# Altium PCB PCB2-v2.PcbDoc (part 4 of 8)
Units mil, origin at the board's own origin, x right, y up, seen from the top; angles counter-clockwise.
Board outline 4330.71 x 4330.71 mil, 2 copper layers (Top Layer, Bottom Layer); 153 components, 127 nets, 575 pads, 933 vias.
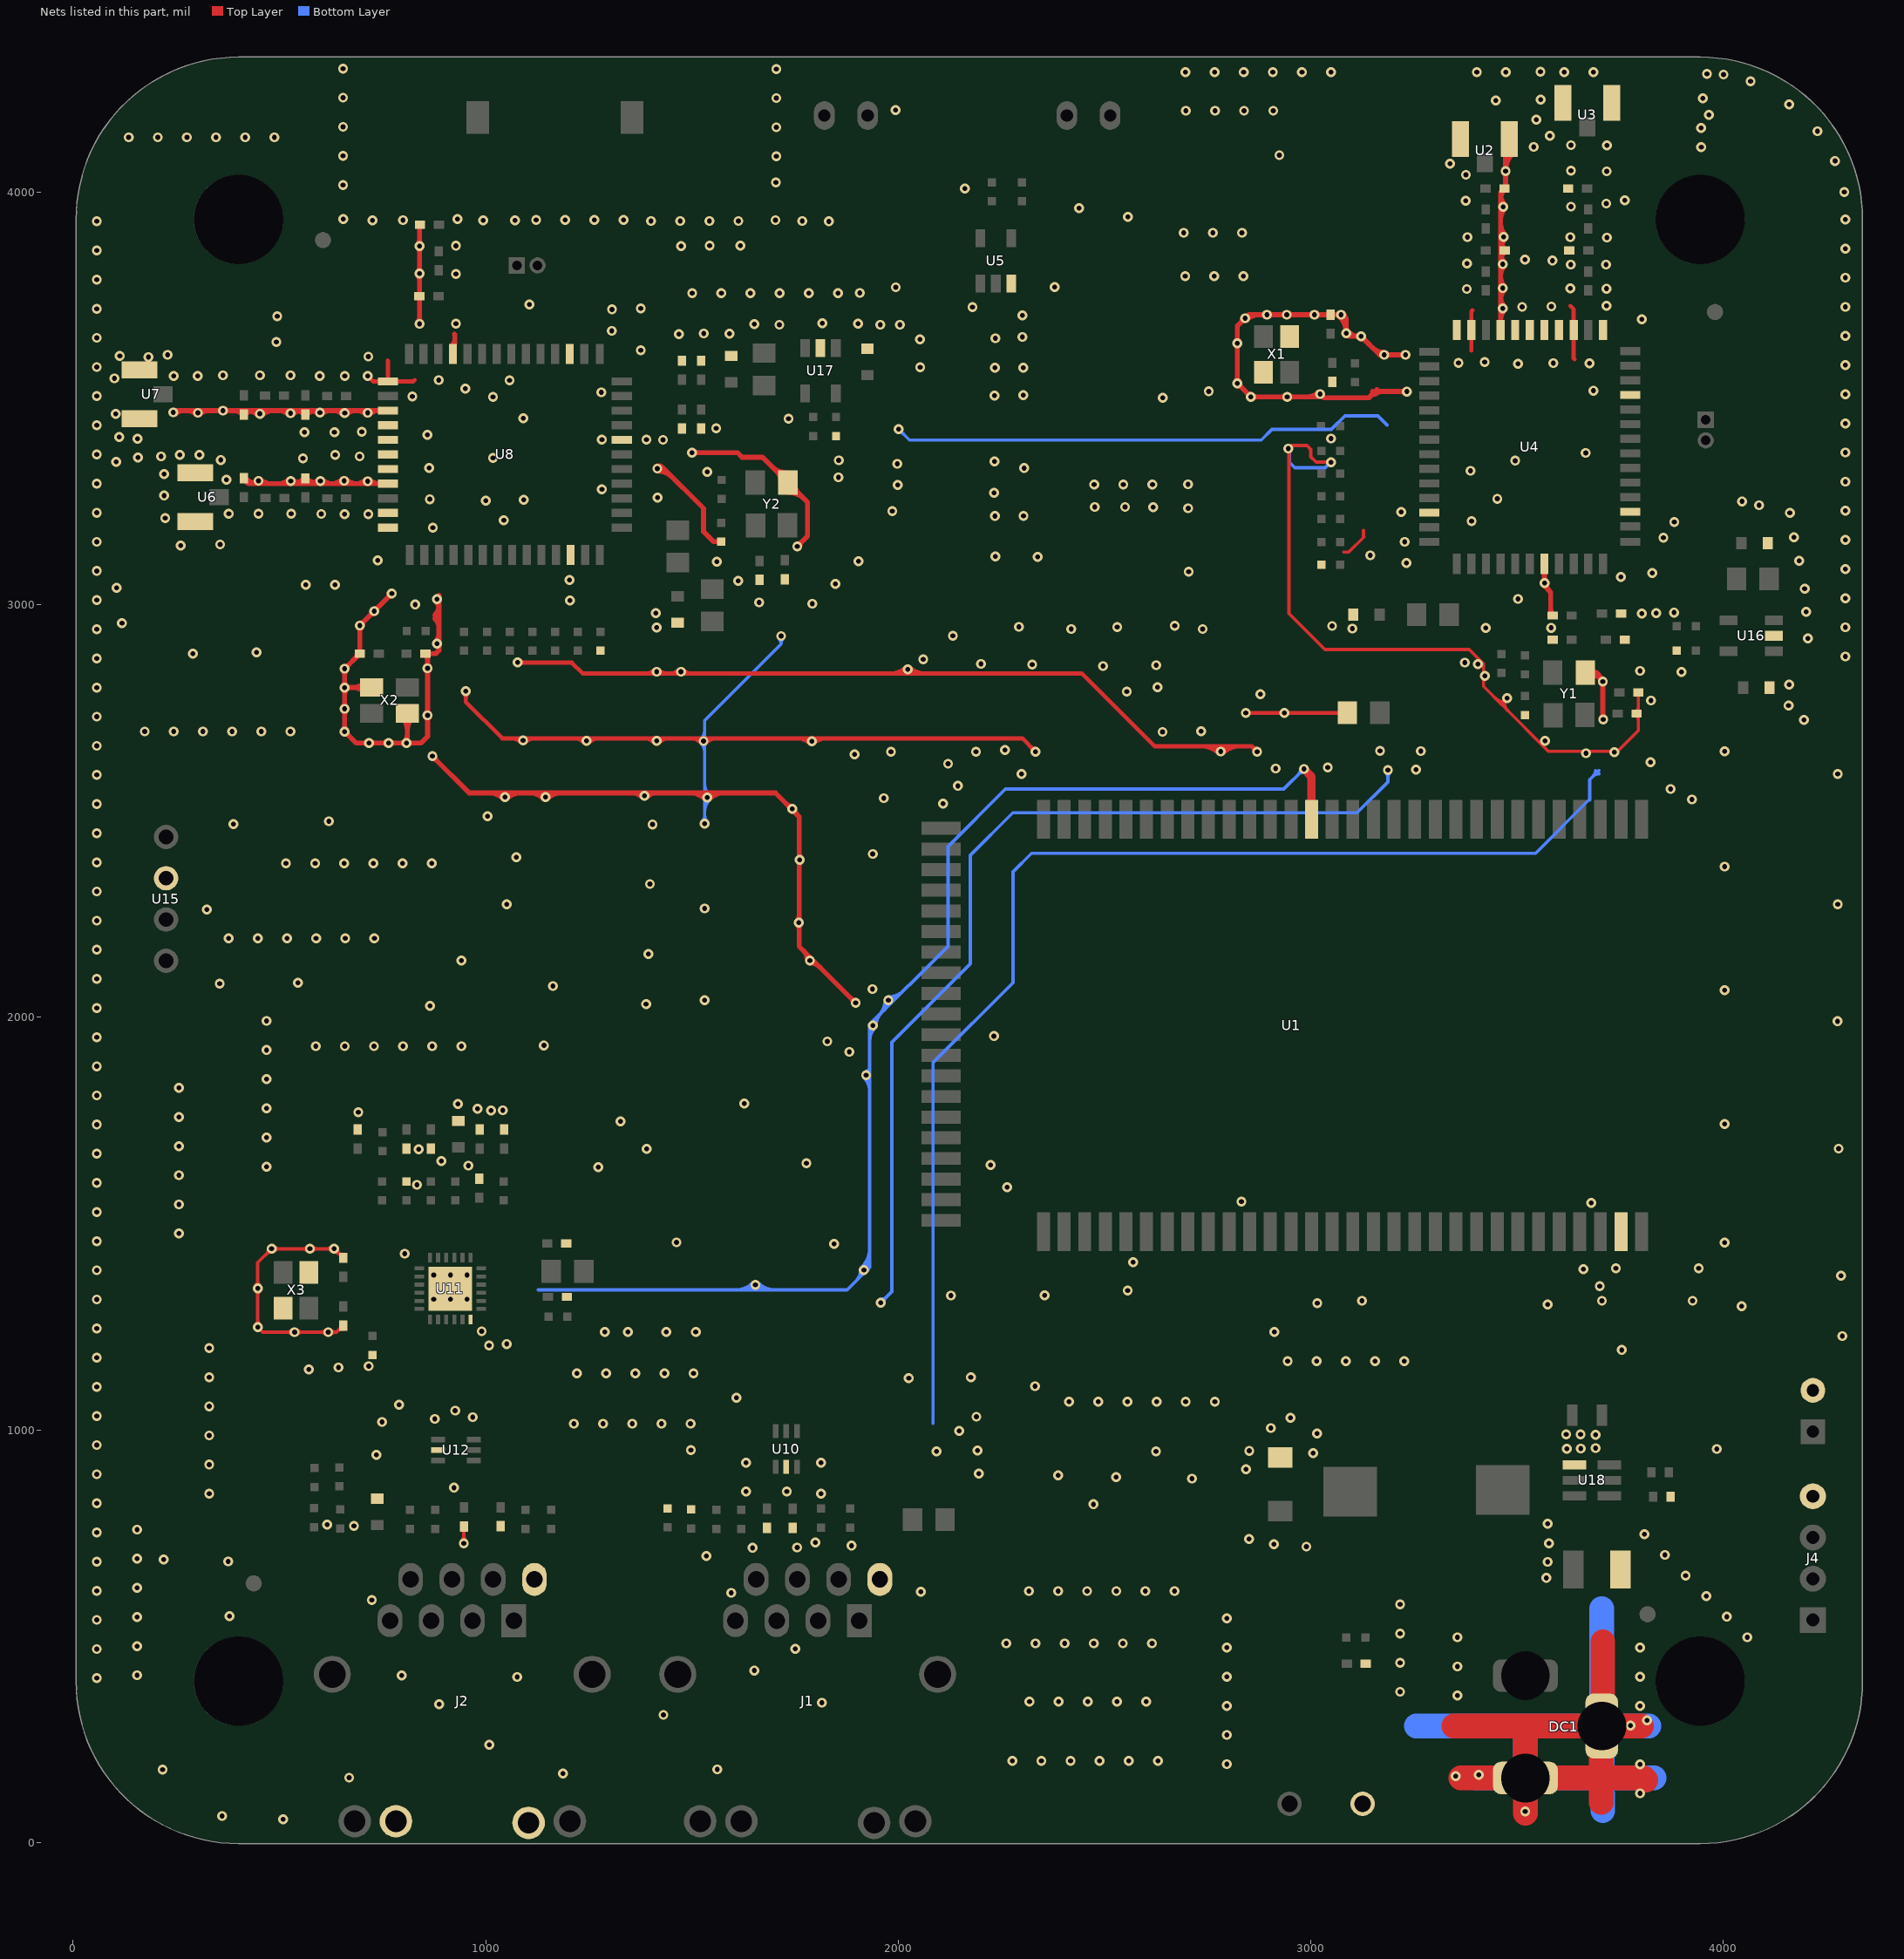
[diagram p4: the nets of this part, all layers, seen from the top]

## Via types
v1: diameter 24, hole 12, Top Layer to Bottom Layer, tented both sides, 931 vias
v2: diameter 78.74, hole 51.18, Top Layer to Bottom Layer, 2 vias

## Nets (pads, with @x,y where several pads share a name; then routed paths per layer and width w, separated by ;. In a path a pad name is that pad's centre, name@x,y a point inside that pad or via, vN(x,y) a via of type N, cw(c..) or ccw(c..) an arc to the next point about the centre after c; other vN are vias at no path point) (continued)
GND: C1.1 C2.2 C5.1 C6.2 C9.2 C10.2 C11.2 C12.2 C13.2 C14.2 C15.2 C16.1 C17.2 C18.2 C19.1 C20.2 C23.1 C24.2 C27.1 C29.2 C30.2 C31.2 C32.2 C33.2 C34.1 C35.2 C36.2 C37.1 C38.1 C39.2 C40.1 C41.1 C42.2 C43.1 C44.2 C45.2 C46.2 C47.2 C48.1 C49.2 C50.2 C51.2 C52.2 C54.2 C55.2 C56.2 C57.2 C58.2 C59.2 C60.2 C61.2 DC1.2 DC1.3 J1.8 J2.8 J2.10 J2.11 J4.4 J5.2 R8.1 R16.1 R21.1 R22.1 R32.1 R40.1 R41.1 R46.2 R48.1 R50.1 R51.1 R52.1 S1.2 U1.29 U1.47 U2.0 U3.0 U4.1 U4.3 U4.4 U4.5 U4.6 U4.7 U4.8 U4.10 U4.11 U4.23 U4.32 U4.39 U4.47 U5.3 U6.0 U7.0 U8.1 U8.3 U8.4 U8.5 U8.6 U8.7 U8.8 U8.10 U8.11 U8.23 U8.32 U8.39 U8.47 U10.2 U11.6 U11.25 U12.2 U15.3 U16.2 U17.2 U18.1 X1.2 X1.4 X2.2 X2.4 X3.2 X3.4 Y1.2 Y2.2 | length 44843.8
  Top Layer w8: C49.2@654.22,1252.89 638.16,1236.83 459.19,1236.83 v1(447.3,1248.72) 447.3,1405.18 v1(481.01,1438.89) v1(632.33,1438.89) C48.1@654.22,1417 ; C41.1@946.96,765.85 v1(946.96,724.52) v1@948.41,723.07 ; v1@2947.23,3379.97 2947.23,2978.6 3034.34,2891.48 3383.94,2891.48 3418.73,2856.69 3418.73,2802.18 3462.28,2758.63 ; v1@2947.51,3379.5 2953.81,3385.8 2990.95,3385.8 2999.89,3376.86 2999.89,3358.84 3013.11,3345.62 v1(3048.96,3345.62) ; 3079.65,3127.89 3092.29,3127.89 3129.21,3164.81 3127.8,3166.21 3127.8,3179.89 ; 3446.99,2773.92 ccw(c3468.61,2795.54) 3468.61,2764.97 ccw(c3499.19,2764.97) 3477.57,2743.35 ; 3465.25,2755.67 3576.02,2644.89 v1@3735.89,2644.89 ; v1@3743.95,2644.89 3794.03,2694.97 C9.2@3794.03,2787.89 ; v1@441.64,1254.38 ccw(c427.98,1268.03) 447.3,1268.03 ; v1@441.64,1254.38 ccw(c427.98,1268.03) 447.3,1268.03 ; v1@441.64,1254.38 ccw(c427.98,1268.03) 447.3,1268.03 ; v1@441.64,1254.38 ccw(c427.98,1268.03) 447.3,1268.03 ; v1@441.64,1337.63 cw(c427.98,1323.98) 447.3,1323.98 ; v1@441.64,1337.63 cw(c427.98,1323.98) 447.3,1323.98 ; v1@441.64,1337.63 cw(c427.98,1323.98) 447.3,1323.98 ; v1@441.64,1337.63 cw(c427.98,1323.98) 447.3,1323.98 ; v1@441.64,1348.95 ccw(c427.98,1362.6) 447.3,1362.6 ; v1@441.64,1348.95 ccw(c427.98,1362.6) 447.3,1362.6 ; v1@441.64,1348.95 ccw(c427.98,1362.6) 447.3,1362.6 ; v1@441.64,1348.95 ccw(c427.98,1362.6) 447.3,1362.6 ; 447.3,1268.03 ccw(c466.61,1268.03) v1@452.95,1254.38 ; 447.3,1268.03 ccw(c466.61,1268.03) v1@452.95,1254.38 ; 447.3,1268.03 ccw(c466.61,1268.03) v1@452.95,1254.38 ; 447.3,1268.03 ccw(c466.61,1268.03) v1@452.95,1254.38 ; 447.3,1323.98 cw(c466.61,1323.98) v1@452.95,1337.63 ; 447.3,1323.98 cw(c466.61,1323.98) v1@452.95,1337.63 ; 447.3,1323.98 cw(c466.61,1323.98) v1@452.95,1337.63 ; 447.3,1323.98 cw(c466.61,1323.98) v1@452.95,1337.63 ; 447.3,1362.6 ccw(c466.61,1362.6) v1@452.95,1348.95 ; 447.3,1362.6 ccw(c466.61,1362.6) v1@452.95,1348.95 ; 447.3,1362.6 ccw(c466.61,1362.6) v1@452.95,1348.95 ; 447.3,1362.6 ccw(c466.61,1362.6) v1@452.95,1348.95 ; 467.35,1425.23 cw(c481.01,1411.57) v1@481.01,1430.89 ; 467.35,1425.23 ccw(c453.7,1438.89) v1@473.01,1438.89 ; 467.35,1425.23 cw(c481.01,1411.57) v1@481.01,1430.89 ; 467.35,1425.23 ccw(c453.7,1438.89) v1@473.01,1438.89 ; 467.35,1425.23 ccw(c453.7,1438.89) v1@473.01,1438.89 ; 467.35,1425.23 cw(c481.01,1411.57) v1@481.01,1430.89 ; 467.35,1425.23 ccw(c453.7,1438.89) v1@473.01,1438.89 ; 467.35,1425.23 cw(c481.01,1411.57) v1@481.01,1430.89 ; v1@486.67,1433.23 cw(c500.32,1419.57) 500.32,1438.89 ; v1@486.67,1433.23 cw(c500.32,1419.57) 500.32,1438.89 ; v1@486.67,1433.23 cw(c500.32,1419.57) 500.32,1438.89 ; v1@486.67,1433.23 cw(c500.32,1419.57) 500.32,1438.89 ; v1@486.67,1444.54 ccw(c500.32,1458.2) 500.32,1438.89 ; v1@486.67,1444.54 ccw(c500.32,1458.2) 500.32,1438.89 ; v1@486.67,1444.54 ccw(c500.32,1458.2) 500.32,1438.89 ; v1@486.67,1444.54 ccw(c500.32,1458.2) 500.32,1438.89 ; 517.37,1236.83 cw(c517.37,1217.51) v1@531.03,1231.17 ; 517.37,1236.83 ccw(c517.37,1256.14) v1@531.03,1242.48 ; 517.37,1236.83 cw(c517.37,1217.51) v1@531.03,1231.17 ; 517.37,1236.83 ccw(c517.37,1256.14) v1@531.03,1242.48 ; 517.37,1236.83 ccw(c517.37,1256.14) v1@531.03,1242.48 ; 517.37,1236.83 cw(c517.37,1217.51) v1@531.03,1231.17 ; 517.37,1236.83 ccw(c517.37,1256.14) v1@531.03,1242.48 ; 517.37,1236.83 cw(c517.37,1217.51) v1@531.03,1231.17 ; v1@542.34,1231.17 cw(c556,1217.51) 556,1236.83 ; v1@542.34,1231.17 cw(c556,1217.51) 556,1236.83 ; v1@542.34,1231.17 cw(c556,1217.51) 556,1236.83 ; v1@542.34,1231.17 cw(c556,1217.51) 556,1236.83 ; v1@542.34,1242.48 ccw(c556,1256.14) 556,1236.83 ; v1@542.34,1242.48 ccw(c556,1256.14) 556,1236.83 ; v1@542.34,1242.48 ccw(c556,1256.14) 556,1236.83 ; v1@542.34,1242.48 ccw(c556,1256.14) 556,1236.83 ; 554.67,1438.89 cw(c554.67,1419.57) v1@568.33,1433.23 ; 554.67,1438.89 ccw(c554.67,1458.2) v1@568.33,1444.54 ; 554.67,1438.89 cw(c554.67,1419.57) v1@568.33,1433.23 ; 554.67,1438.89 ccw(c554.67,1458.2) v1@568.33,1444.54 ; 554.67,1438.89 ccw(c554.67,1458.2) v1@568.33,1444.54 ; 554.67,1438.89 cw(c554.67,1419.57) v1@568.33,1433.23 ; 554.67,1438.89 ccw(c554.67,1458.2) v1@568.33,1444.54 ; 554.67,1438.89 cw(c554.67,1419.57) v1@568.33,1433.23 ; v1@579.64,1433.23 cw(c593.3,1419.57) 593.3,1438.89 ; v1@579.64,1433.23 cw(c593.3,1419.57) 593.3,1438.89 ; v1@579.64,1433.23 cw(c593.3,1419.57) 593.3,1438.89 ; v1@579.64,1433.23 cw(c593.3,1419.57) 593.3,1438.89 ; v1@579.64,1444.54 ccw(c593.3,1458.2) 593.3,1438.89 ; v1@579.64,1444.54 ccw(c593.3,1458.2) 593.3,1438.89 ; v1@579.64,1444.54 ccw(c593.3,1458.2) 593.3,1438.89 ; v1@579.64,1444.54 ccw(c593.3,1458.2) 593.3,1438.89 ; 598.85,1236.83 cw(c598.85,1217.51) v1@612.5,1231.17 ; 598.85,1236.83 ccw(c598.85,1256.14) v1@612.5,1242.48 ; 598.85,1236.83 cw(c598.85,1217.51) v1@612.5,1231.17 ; 598.85,1236.83 ccw(c598.85,1256.14) v1@612.5,1242.48 ; 598.85,1236.83 ccw(c598.85,1256.14) v1@612.5,1242.48 ; 598.85,1236.83 cw(c598.85,1217.51) v1@612.5,1231.17 ; 598.85,1236.83 ccw(c598.85,1256.14) v1@612.5,1242.48 ; 598.85,1236.83 cw(c598.85,1217.51) v1@612.5,1231.17 ; 613.01,1438.89 cw(c613.01,1419.57) v1@626.67,1433.23 ; 613.01,1438.89 ccw(c613.01,1458.2) v1@626.67,1444.54 ; 613.01,1438.89 cw(c613.01,1419.57) v1@626.67,1433.23 ; 613.01,1438.89 ccw(c613.01,1458.2) v1@626.67,1444.54 ; 613.01,1438.89 ccw(c613.01,1458.2) v1@626.67,1444.54 ; 613.01,1438.89 cw(c613.01,1419.57) v1@626.67,1433.23 ; 613.01,1438.89 ccw(c613.01,1458.2) v1@626.67,1444.54 ; 613.01,1438.89 cw(c613.01,1419.57) v1@626.67,1433.23 ; v1@623.82,1231.17 cw(c637.47,1217.51) 637.47,1236.83 ; v1@623.82,1231.17 cw(c637.47,1217.51) 637.47,1236.83 ; v1@623.82,1231.17 cw(c637.47,1217.51) 637.47,1236.83 ; v1@623.82,1231.17 cw(c637.47,1217.51) 637.47,1236.83 ; v1@623.82,1242.48 ccw(c637.47,1256.14) 637.47,1236.83 ; v1@623.82,1242.48 ccw(c637.47,1256.14) 637.47,1236.83 ; v1@623.82,1242.48 ccw(c637.47,1256.14) 637.47,1236.83 ; v1@623.82,1242.48 ccw(c637.47,1256.14) 637.47,1236.83 ; v1@632.33,1430.89 cw(c632.33,1411.57) C48.1@645.98,1425.23 ; v1@632.33,1430.89 cw(c632.33,1411.57) C48.1@645.98,1425.23 ; v1@632.33,1430.89 cw(c632.33,1411.57) C48.1@645.98,1425.23 ; v1@632.33,1430.89 cw(c632.33,1411.57) C48.1@645.98,1425.23 ; 639.71,1238.37 cw(c654.22,1223.86) C49.2@654.22,1244.39 ; 639.71,1238.37 cw(c654.22,1223.86) C49.2@654.22,1244.39 ; 639.71,1238.37 cw(c654.22,1223.86) C49.2@654.22,1244.39 ; 639.71,1238.37 cw(c654.22,1223.86) C49.2@654.22,1244.39 ; v1@639.71,1431.51 ccw(c654.22,1446.02) C48.1@654.22,1425.5 ; v1@639.71,1431.51 ccw(c654.22,1446.02) C48.1@654.22,1425.5 ; v1@639.71,1431.51 ccw(c654.22,1446.02) C48.1@654.22,1425.5 ; v1@639.71,1431.51 ccw(c654.22,1446.02) C48.1@654.22,1425.5 ; v1@640.33,1438.89 ccw(c659.64,1438.89) C48.1@645.98,1425.23 ; v1@640.33,1438.89 ccw(c659.64,1438.89) C48.1@645.98,1425.23 ; v1@640.33,1438.89 ccw(c659.64,1438.89) C48.1@645.98,1425.23 ; v1@640.33,1438.89 ccw(c659.64,1438.89) C48.1@645.98,1425.23 ; C49.2@645.74,1244.41 ccw(c639.77,1250.39) C49.2@648.22,1250.39 ; C49.2@645.74,1244.41 ccw(c639.77,1250.39) C49.2@648.22,1250.39 ; C49.2@645.74,1244.41 ccw(c639.77,1250.39) C49.2@648.22,1250.39 ; C49.2@645.74,1244.41 ccw(c639.77,1250.39) C49.2@648.22,1250.39 ; C48.1@645.74,1425.47 cw(c639.77,1419.5) C48.1@648.22,1419.5 ; C48.1@645.74,1425.47 cw(c639.77,1419.5) C48.1@648.22,1419.5 ; C48.1@645.74,1425.47 cw(c639.77,1419.5) C48.1@648.22,1419.5 ; C48.1@645.74,1425.47 cw(c639.77,1419.5) C48.1@648.22,1419.5 ; 946.96,743.83 ccw(c966.27,743.83) 952.62,730.17 cw(c966.27,743.83) 946.96,743.83 ; 946.96,743.83 cw(c927.65,743.83) 941.3,730.17 ccw(c927.65,743.83) 946.96,743.83 ; 946.96,748.86 ccw(c932.47,748.86) 942.72,759.1 cw(c932.47,748.86) 946.96,748.86 ; 946.96,748.86 cw(c961.45,748.86) 951.2,759.1 ccw(c961.45,748.86) 946.96,748.86 ; C10.2@3788.14,2731.98 cw(c3773.93,2717.76) 3794.03,2717.76 ; C10.2@3788.14,2731.98 cw(c3773.93,2717.76) 3794.03,2717.76 ; C10.2@3788.14,2731.98 cw(c3773.93,2717.76) 3794.03,2717.76 ; C10.2@3788.14,2740.46 ccw(c3773.93,2754.68) 3794.03,2754.68 ; C10.2@3788.14,2740.46 ccw(c3773.93,2754.68) 3794.03,2754.68 ; C10.2@3788.14,2740.46 ccw(c3773.93,2754.68) 3794.03,2754.68 ; C9.2@3789.79,2783.65 cw(c3779.55,2773.41) 3794.03,2773.41 ; C9.2@3789.79,2783.65 cw(c3779.55,2773.41) 3794.03,2773.41 ; C9.2@3789.79,2783.65 cw(c3779.55,2773.41) 3794.03,2773.41 ; 3794.03,2725.71 cw(c3802.9,2725.71) C10.2@3796.63,2731.98 ; 3794.03,2725.71 cw(c3802.9,2725.71) C10.2@3796.63,2731.98 ; 3794.03,2725.71 cw(c3802.9,2725.71) C10.2@3796.63,2731.98 ; 3794.03,2746.73 ccw(c3802.9,2746.73) C10.2@3796.63,2740.46 ; 3794.03,2746.73 ccw(c3802.9,2746.73) C10.2@3796.63,2740.46 ; 3794.03,2746.73 ccw(c3802.9,2746.73) C10.2@3796.63,2740.46 ; 3794.03,2773.41 cw(c3808.52,2773.41) C9.2@3798.27,2783.65 ; 3794.03,2773.41 cw(c3808.52,2773.41) C9.2@3798.27,2783.65 ; 3794.03,2773.41 cw(c3808.52,2773.41) C9.2@3798.27,2783.65
  Top Layer w10: v1(713.8,3554.59) 726.95,3541.44 U8.1@762.79,3541.44 ; 762.4,3591.89 762.79,3591.51 U8.1@762.79,3541.44 ; 827.89,3544.61 824.72,3541.44 U8.1@762.79,3541.44 ; v1(951.75,2790.59) 951.75,2764.22 1039.84,2676.14 2300.7,2676.14 v1(2332.94,2643.89) ; v1@1082.68,2859.76 1208.75,2859.76 1234.86,2833.65 2444.78,2833.65 2621.42,2657.01 2857,2657.01 2869.85,2644.16 v1(2869.85,2643.89) ; v1(2842.48,2738.06) R46.2@3088.61,2738.06 ; R46.2@3092.72,2719.34 R46.2@3092.72,2726.31 ; v1@3166.51,2645.55 v1(3167.89,2645.55) ; 3389.25,3615.9 U4.10@3389.25,3666.18 3389.25,3711.16 3391.89,3713.79 ; 3628.91,3724.77 3637.28,3716.4 U4.3@3637.28,3666.18 3637.28,3597.15 3639.89,3594.54 ; 951.75,2773.69 ccw(c934.85,2773.69) 946.8,2785.64 cw(c934.85,2773.69) 951.75,2773.69 ; 951.75,2773.69 cw(c968.65,2773.69) 956.7,2785.64 ccw(c968.65,2773.69) 951.75,2773.69 ; 1061.55,2676.14 cw(c1061.55,2641.95) v1@1085.73,2666.12 ; 1061.55,2676.14 cw(c1061.55,2641.95) v1@1085.73,2666.12 ; 1061.55,2676.14 cw(c1061.55,2641.95) v1@1085.73,2666.12 ; v1@1082.19,2855.47 cw(c1092.54,2845.12) 1092.54,2859.76 ; v1@1082.19,2855.47 cw(c1092.54,2845.12) 1092.54,2859.76 ; v1@1082.19,2855.47 cw(c1092.54,2845.12) 1092.54,2859.76 ; v1@1082.19,2865.37 ccw(c1095.74,2878.92) 1095.74,2859.76 ; v1@1082.19,2865.37 ccw(c1095.74,2878.92) 1095.74,2859.76 ; v1@1082.19,2865.37 ccw(c1095.74,2878.92) 1095.74,2859.76 ; v1@1095.63,2666.12 cw(c1119.8,2641.95) 1119.8,2676.14 ; v1@1095.63,2666.12 cw(c1119.8,2641.95) 1119.8,2676.14 ; v1@1095.63,2666.12 cw(c1119.8,2641.95) 1119.8,2676.14 ; 1383.23,2676.14 cw(c1383.23,2639.27) v1@1409.3,2665.34 ; 1383.23,2676.14 cw(c1383.23,2639.27) v1@1409.3,2665.34 ; 1383.23,2676.14 cw(c1383.23,2639.27) v1@1409.3,2665.34 ; 1387.65,2833.65 ccw(c1387.65,2864.15) v1@1409.23,2842.58 ; 1387.65,2833.65 ccw(c1387.65,2864.15) v1@1409.23,2842.58 ; 1387.65,2833.65 ccw(c1387.65,2864.15) v1@1409.23,2842.58 ; v1@1419.12,2842.58 ccw(c1440.7,2864.15) 1440.7,2833.65 ; v1@1419.12,2842.58 ccw(c1440.7,2864.15) 1440.7,2833.65 ; v1@1419.12,2842.58 ccw(c1440.7,2864.15) 1440.7,2833.65 ; v1@1419.2,2665.34 cw(c1445.27,2639.27) 1445.27,2676.14 ; v1@1419.2,2665.34 cw(c1445.27,2639.27) 1445.27,2676.14 ; v1@1419.2,2665.34 cw(c1445.27,2639.27) 1445.27,2676.14 ; 1495.47,2676.14 cw(c1495.47,2637.03) v1@1523.12,2664.68 ; 1495.47,2676.14 cw(c1495.47,2637.03) v1@1523.12,2664.68 ; 1495.47,2676.14 cw(c1495.47,2637.03) v1@1523.12,2664.68 ; v1@1533.02,2664.68 cw(c1560.68,2637.03) 1560.68,2676.14 ; v1@1533.02,2664.68 cw(c1560.68,2637.03) 1560.68,2676.14 ; v1@1533.02,2664.68 cw(c1560.68,2637.03) 1560.68,2676.14 ; 1981.77,2833.65 ccw(c1981.77,2884.82) v1@2017.96,2848.63 ; 1981.77,2833.65 ccw(c1981.77,2884.82) v1@2017.96,2848.63 ; 1981.77,2833.65 ccw(c1981.77,2884.82) v1@2017.96,2848.63 ; 2005.92,2833.65 ccw(c2005.92,2860.68) v1@2025.03,2841.56 ; 2005.92,2833.65 ccw(c2005.92,2860.68) v1@2025.03,2841.56 ; 2005.92,2833.65 ccw(c2005.92,2860.68) v1@2025.03,2841.56 ; 2013.72,2834.49 ccw(c2015.76,2836.53) 2015.76,2833.65 ; 2013.72,2834.49 ccw(c2015.76,2836.53) 2015.76,2833.65 ; 2013.72,2834.49 ccw(c2015.76,2836.53) 2015.76,2833.65 ; v1@2020.79,2841.56 ccw(c2039.9,2860.68) 2039.9,2833.65 ; v1@2020.79,2841.56 ccw(c2039.9,2860.68) 2039.9,2833.65 ; v1@2020.79,2841.56 ccw(c2039.9,2860.68) 2039.9,2833.65 ; v1@2027.86,2848.63 ccw(c2064.04,2884.82) 2064.04,2833.65 ; v1@2027.86,2848.63 ccw(c2064.04,2884.82) 2064.04,2833.65 ; v1@2027.86,2848.63 ccw(c2064.04,2884.82) 2064.04,2833.65 ; 2030.06,2833.65 ccw(c2030.06,2836.53) 2032.1,2834.49 ; 2030.06,2833.65 ccw(c2030.06,2836.53) 2032.1,2834.49 ; 2030.06,2833.65 ccw(c2030.06,2836.53) 2032.1,2834.49 ; 2320.99,2655.84 cw(c2309.04,2643.89) v1@2325.94,2643.89 ; 2320.99,2655.84 ccw(c2332.94,2667.79) v1@2332.94,2650.89 ; 2320.99,2655.84 ccw(c2332.94,2667.79) v1@2332.94,2650.89 ; 2320.99,2655.84 cw(c2309.04,2643.89) v1@2325.94,2643.89 ; 2320.99,2655.84 ccw(c2332.94,2667.79) v1@2332.94,2650.89 ; 2320.99,2655.84 cw(c2309.04,2643.89) v1@2325.94,2643.89 ; 2857.71,2656.3 cw(c2845.3,2643.89) v1@2862.85,2643.89 ; 2857.71,2656.3 cw(c2845.3,2643.89) v1@2862.85,2643.89 ; 2857.71,2656.3 cw(c2845.3,2643.89) v1@2862.85,2643.89 ; 2858.36,2655.65 ccw(c2869.85,2667.14) v1@2869.85,2650.89 ; 2858.36,2655.65 ccw(c2869.85,2667.14) v1@2869.85,2650.89 ; 2858.36,2655.65 ccw(c2869.85,2667.14) v1@2869.85,2650.89 ; 1213.31,2676.14 cw(c1213.31,2638.98) 1239.58,2665.25 ccw(c1213.31,2638.98) 1213.31,2676.14 ; v1@1249.48,2665.25 cw(c1275.76,2638.98) 1275.76,2676.14 ccw(c1275.76,2638.98) v1@1249.48,2665.25 ; 1446.69,2833.65 ccw(c1446.69,2864.15) 1468.26,2842.58 cw(c1446.69,2864.15) 1446.69,2833.65 ; v1@1478.16,2842.58 ccw(c1499.73,2864.15) 1499.73,2833.65 cw(c1499.73,2864.15) v1@1478.16,2842.58 ; 1755.7,2676.14 cw(c1755.7,2634.12) 1785.41,2663.83 ccw(c1755.7,2634.12) 1755.7,2676.14 ; 1779.84,2676.14 cw(c1779.84,2658.26) 1792.48,2670.9 ccw(c1779.84,2658.26) 1779.84,2676.14 ; v1@1788.24,2670.9 cw(c1800.88,2658.26) 1800.88,2676.14 ccw(c1800.88,2658.26) v1@1788.24,2670.9 ; v1@1795.31,2663.83 cw(c1825.02,2634.12) 1825.02,2676.14 ccw(c1825.02,2634.12) v1@1795.31,2663.83 ; 2733.87,2657.01 cw(c2733.87,2596.32) 2776.79,2639.23 ccw(c2733.87,2596.32) 2733.87,2657.01 ; 2758.01,2657.01 cw(c2758.01,2620.46) 2783.86,2646.3 ccw(c2758.01,2620.46) 2758.01,2657.01 ; 2772.54,2653.38 cw(c2781.32,2644.6) 2781.32,2657.01 ccw(c2781.32,2644.6) 2772.54,2653.38 ; v1@2779.61,2646.3 cw(c2805.46,2620.46) 2805.46,2657.01 ccw(c2805.46,2620.46) v1@2779.61,2646.3 ; 2782.15,2657.01 cw(c2782.15,2644.6) 2790.93,2653.38 ccw(c2782.15,2644.6) 2782.15,2657.01 ; v1@2786.69,2639.23 cw(c2829.6,2596.32) 2829.6,2657.01 ccw(c2829.6,2596.32) v1@2786.69,2639.23